# Altium PCB AD-FMComms3_revA.PcbDoc (part 5 of 5)
Units mil, origin at the board's own origin, x right, y up, seen from the top; angles counter-clockwise.
Board outline 3311.81 x 2716.54 mil, 10 copper layers (TOP, L2_GND, L3_PWR, L4_GND, L5_SIG, L6_SIG, L7_GND, L8_PWR, L9_GND, BOTTOM), stack 60.05 mil thick; 211 components, 138 nets, 808 pads, 812 vias.
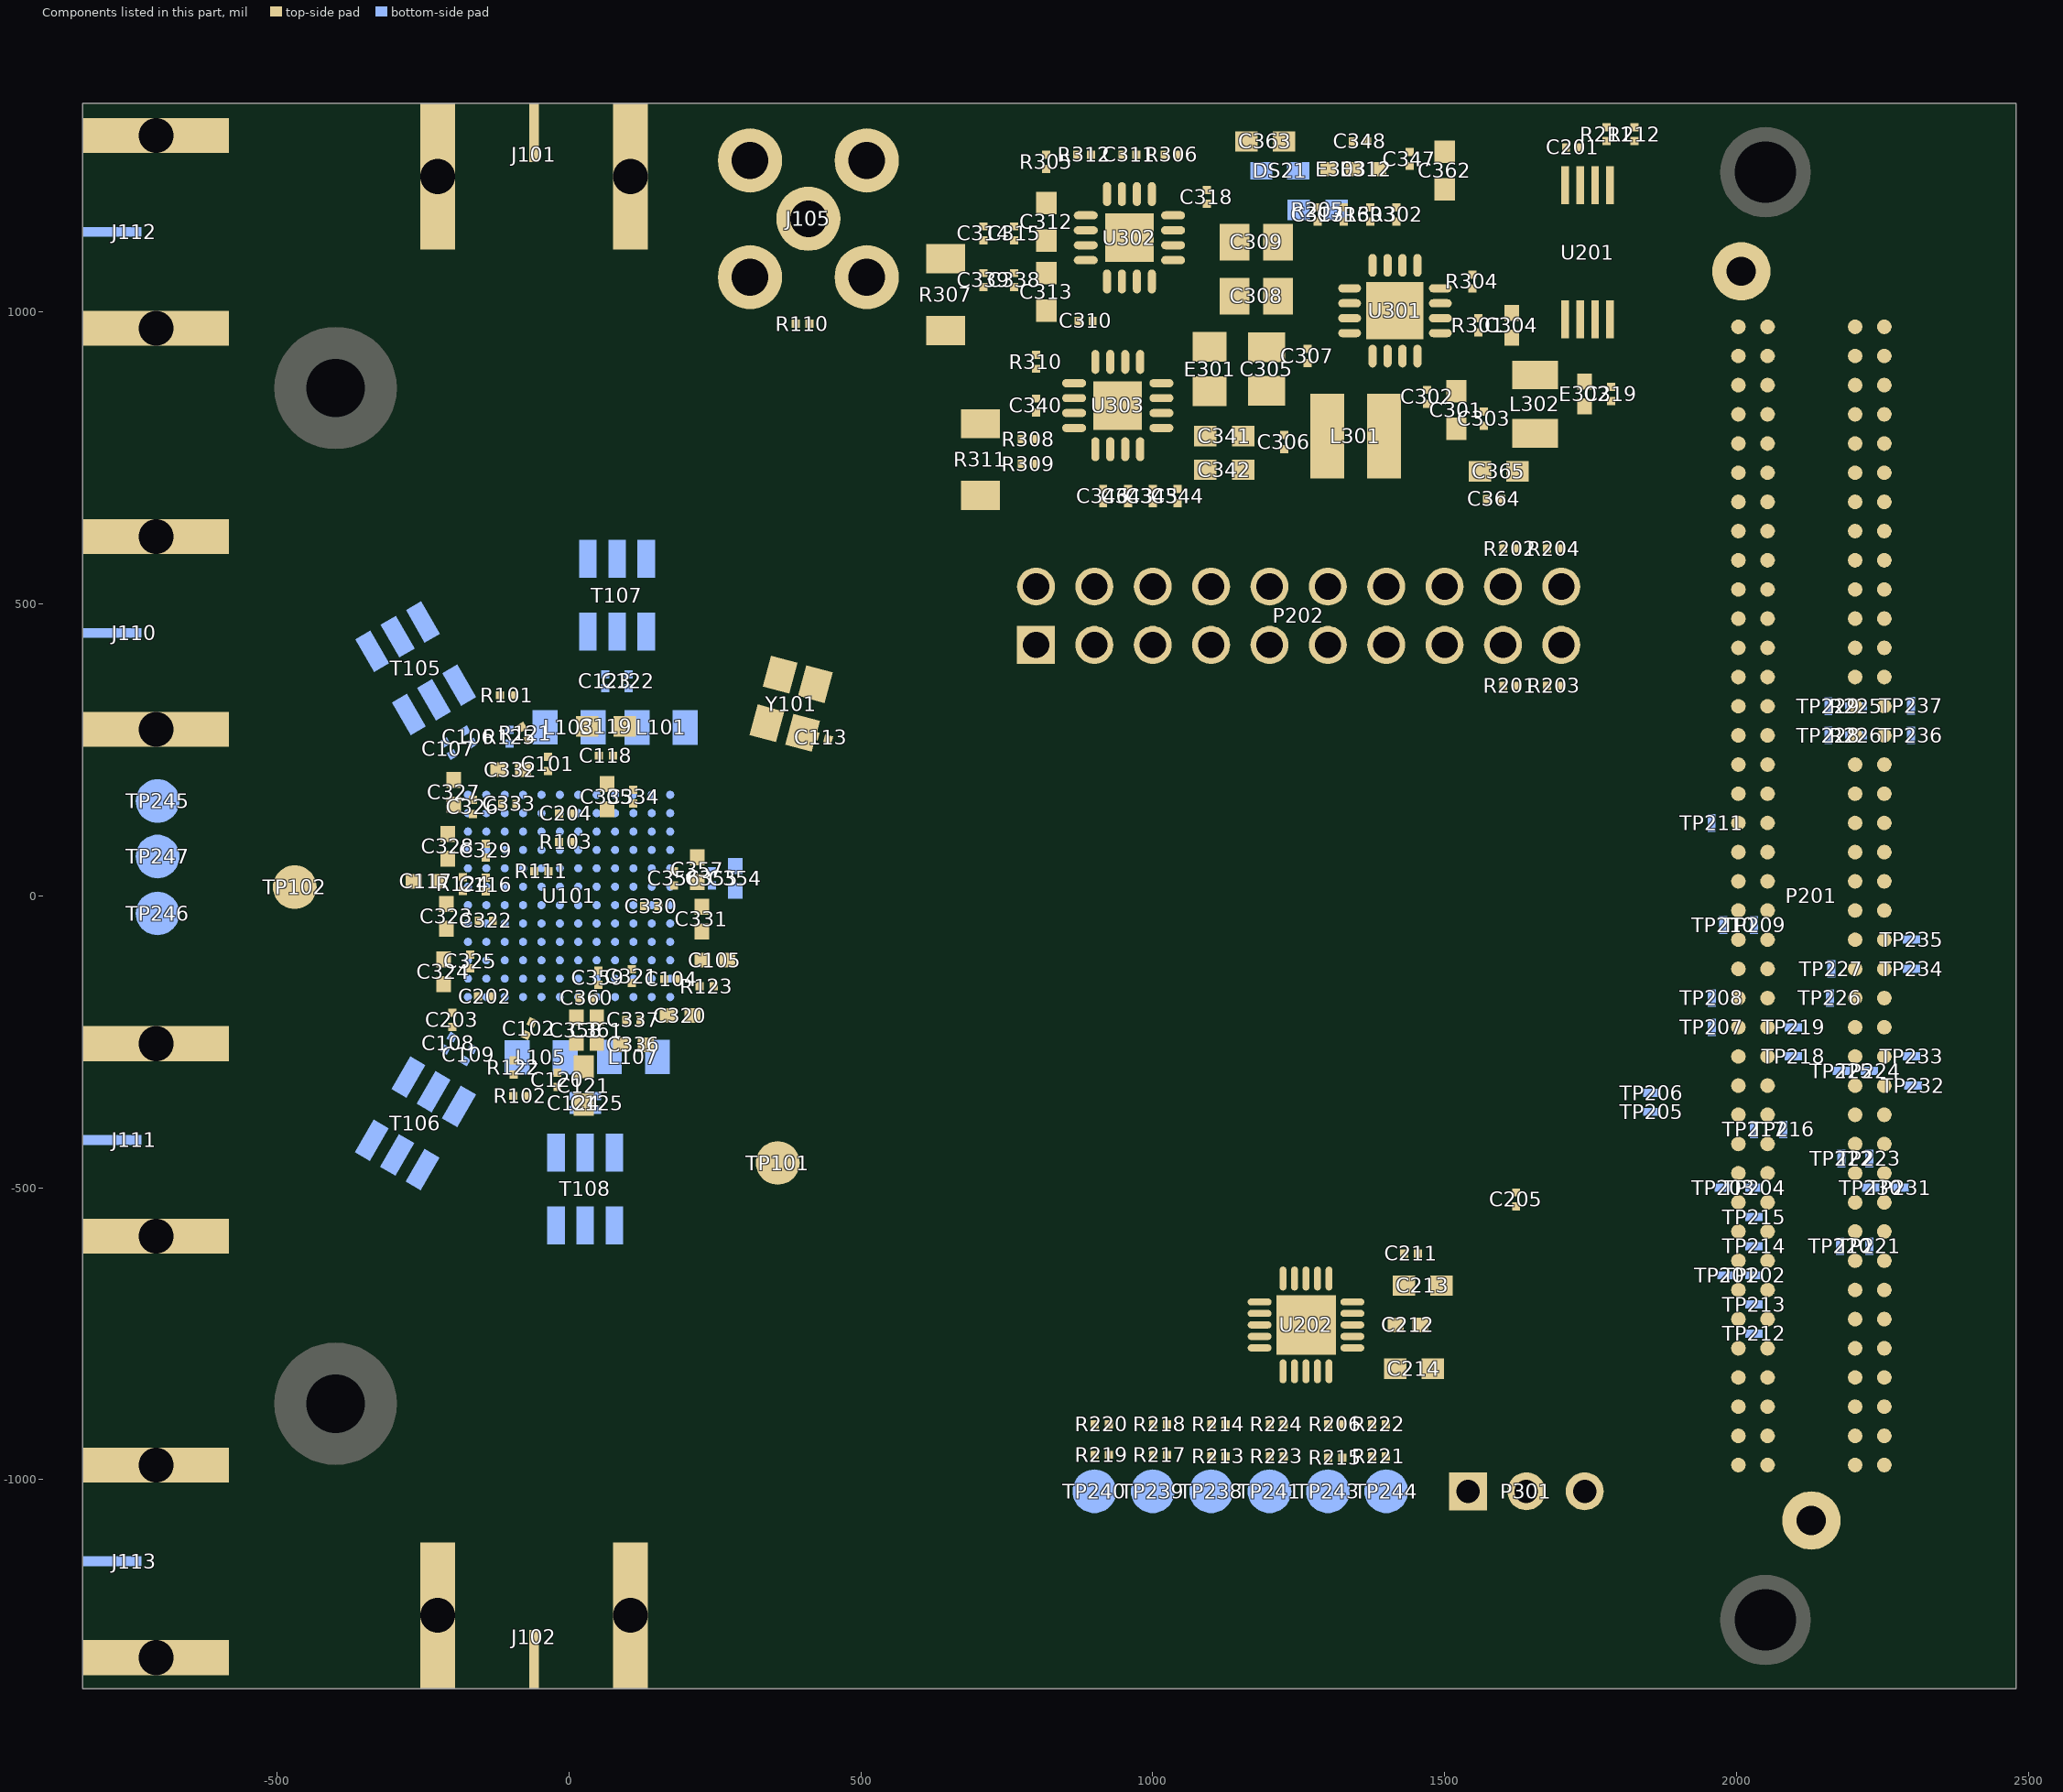
[diagram p13: the components of this part, seen from the top]

## Other copper (continued)
L7_GND:
  pour cut-out net GND_POWER: 2066.57,1070 2065.45,1081.37 2062.13,1092.31 2056.75,1102.39 2049.49,1111.22 2040.66,1118.48 2030.58,1123.86 2019.64,1127.18 2008.27,1128.3 1996.9,1127.18 1985.96,1123.86 1979.24,1120.27 1975.88,1118.48 1967.05,1111.22 1959.79,1102.39 1954.41,1092.31 1951.09,1081.37 1949.97,1070 1951.09,1058.63 1954.41,1047.69 1959.79,1037.61 1967.05,1028.78 1975.88,1021.52 1979.24,1019.73 1985.96,1016.14 1996.9,1012.82 2008.27,1011.7 2019.64,1012.82 2030.58,1016.14 2040.66,1021.52 2049.49,1028.78 2056.75,1037.61 2062.13,1047.69 2065.45,1058.63 2066.57,1070
  pour cut-out net GND_POWER: 2186.57,-1070 2185.45,-1058.63 2182.13,-1047.69 2176.75,-1037.61 2169.49,-1028.78 2160.66,-1021.52 2150.58,-1016.14 2139.64,-1012.82 2128.27,-1011.7 2116.9,-1012.82 2105.96,-1016.14 2099.24,-1019.73 2095.88,-1021.52 2087.05,-1028.78 2079.79,-1037.61 2074.41,-1047.69 2071.09,-1058.63 2069.97,-1070 2071.09,-1081.37 2074.41,-1092.31 2079.79,-1102.39 2087.05,-1111.22 2095.88,-1118.48 2099.24,-1120.27 2105.96,-1123.86 2116.9,-1127.18 2128.27,-1128.3 2139.64,-1127.18 2150.58,-1123.86 2160.66,-1118.48 2169.49,-1111.22 2176.75,-1102.39 2182.13,-1092.31 2185.45,-1081.37 2186.57,-1070
  pour cut-out net GND_POWER: 1780.87,-1020 1779.48,-1009.42 1775.39,-999.57 1768.9,-991.1 1760.43,-984.61 1750.58,-980.52 1740,-979.13 1729.42,-980.52 1719.57,-984.61 1711.1,-991.1 1704.61,-999.57 1700.52,-1009.42 1699.13,-1020 1700.52,-1030.58 1704.61,-1040.43 1711.1,-1048.9 1719.57,-1055.39 1729.42,-1059.48 1740,-1060.87 1750.58,-1059.48 1760.43,-1055.39 1768.9,-1048.9 1775.39,-1040.43 1779.48,-1030.58 1780.87,-1020
  pour cut-out net GND_POWER: 1640.87,530 1639.48,540.58 1635.39,550.43 1628.9,558.9 1620.43,565.39 1610.58,569.48 1600,570.87 1589.42,569.48 1579.57,565.39 1571.1,558.9 1564.61,550.43 1560.52,540.58 1559.13,530 1560.52,519.42 1564.61,509.57 1571.1,501.1 1579.57,494.61 1589.42,490.52 1600,489.13 1610.58,490.52 1620.43,494.61 1628.9,501.1 1635.39,509.57 1639.48,519.42 1640.87,530
  pour cut-out net GND_POWER: 1740.87,530 1739.48,540.58 1735.39,550.43 1728.9,558.9 1720.43,565.39 1710.58,569.48 1700,570.87 1689.42,569.48 1679.57,565.39 1671.1,558.9 1664.61,550.43 1660.52,540.58 1659.13,530 1660.52,519.42 1664.61,509.57 1671.1,501.1 1679.57,494.61 1689.42,490.52 1700,489.13 1710.58,490.52 1720.43,494.61 1728.9,501.1 1735.39,509.57 1739.48,519.42 1740.87,530
  pour cut-out net GND_POWER: 1640.87,430 1639.48,440.58 1635.39,450.43 1628.9,458.9 1620.43,465.39 1610.58,469.48 1600,470.87 1589.42,469.48 1579.57,465.39 1571.1,458.9 1564.61,450.43 1560.52,440.58 1559.13,430 1560.52,419.42 1564.61,409.57 1571.1,401.1 1579.57,394.61 1589.42,390.52 1600,389.13 1610.58,390.52 1620.43,394.61 1628.9,401.1 1635.39,409.57 1639.48,419.42 1640.87,430
  pour cut-out net GND_POWER: 1740.87,430 1739.48,440.58 1735.39,450.43 1728.9,458.9 1720.43,465.39 1710.58,469.48 1700,470.87 1689.42,469.48 1679.57,465.39 1671.1,458.9 1664.61,450.43 1660.52,440.58 1659.13,430 1660.52,419.42 1664.61,409.57 1671.1,401.1 1679.57,394.61 1689.42,390.52 1700,389.13 1710.58,390.52 1720.43,394.61 1728.9,401.1 1735.39,409.57 1739.48,419.42 1740.87,430
  pour cut-out net GND_POWER: 1580.87,-1020 1579.48,-1009.42 1575.39,-999.57 1568.9,-991.1 1560.43,-984.61 1550.58,-980.52 1540,-979.13 1529.42,-980.52 1519.57,-984.61 1511.1,-991.1 1504.61,-999.57 1500.52,-1009.42 1499.13,-1020 1500.52,-1030.58 1504.61,-1040.43 1511.1,-1048.9 1519.57,-1055.39 1529.42,-1059.48 1540,-1060.87 1550.58,-1059.48 1560.43,-1055.39 1568.9,-1048.9 1575.39,-1040.43 1579.48,-1030.58 1580.87,-1020
  pour cut-out net GND_POWER: 1680.87,-1020 1679.48,-1009.42 1675.39,-999.57 1668.9,-991.1 1660.43,-984.61 1650.58,-980.52 1640,-979.13 1629.42,-980.52 1619.57,-984.61 1611.1,-991.1 1604.61,-999.57 1600.52,-1009.42 1599.13,-1020 1600.52,-1030.58 1604.61,-1040.43 1611.1,-1048.9 1619.57,-1055.39 1629.42,-1059.48 1640,-1060.87 1650.58,-1059.48 1660.43,-1055.39 1668.9,-1048.9 1675.39,-1040.43 1679.48,-1030.58 1680.87,-1020
  pour cut-out net GND_POWER: 1340.87,530 1339.48,540.58 1335.39,550.43 1328.9,558.9 1320.43,565.39 1310.58,569.48 1300,570.87 1289.42,569.48 1279.57,565.39 1271.1,558.9 1264.61,550.43 1260.52,540.58 1259.13,530 1260.52,519.42 1264.61,509.57 1271.1,501.1 1279.57,494.61 1289.42,490.52 1300,489.13 1310.58,490.52 1320.43,494.61 1328.9,501.1 1335.39,509.57 1339.48,519.42 1340.87,530
  pour cut-out net GND_POWER: 1440.87,530 1439.48,540.58 1435.39,550.43 1428.9,558.9 1420.43,565.39 1410.58,569.48 1400,570.87 1389.42,569.48 1379.57,565.39 1371.1,558.9 1364.61,550.43 1360.52,540.58 1359.13,530 1360.52,519.42 1364.61,509.57 1371.1,501.1 1379.57,494.61 1389.42,490.52 1400,489.13 1410.58,490.52 1420.43,494.61 1428.9,501.1 1435.39,509.57 1439.48,519.42 1440.87,530
  pour cut-out net GND_POWER: 1540.87,530 1539.48,540.58 1535.39,550.43 1528.9,558.9 1520.43,565.39 1510.58,569.48 1500,570.87 1489.42,569.48 1479.57,565.39 1471.1,558.9 1464.61,550.43 1460.52,540.58 1459.13,530 1460.52,519.42 1464.61,509.57 1471.1,501.1 1479.57,494.61 1489.42,490.52 1500,489.13 1510.58,490.52 1520.43,494.61 1528.9,501.1 1535.39,509.57 1539.48,519.42 1540.87,530
  pour cut-out net GND_POWER: 1340.87,430 1339.48,440.58 1335.39,450.43 1328.9,458.9 1320.43,465.39 1310.58,469.48 1300,470.87 1289.42,469.48 1279.57,465.39 1271.1,458.9 1264.61,450.43 1260.52,440.58 1259.13,430 1260.52,419.42 1264.61,409.57 1271.1,401.1 1279.57,394.61 1289.42,390.52 1300,389.13 1310.58,390.52 1320.43,394.61 1328.9,401.1 1335.39,409.57 1339.48,419.42 1340.87,430
  pour cut-out net GND_POWER: 1440.87,430 1439.48,440.58 1435.39,450.43 1428.9,458.9 1420.43,465.39 1410.58,469.48 1400,470.87 1389.42,469.48 1379.57,465.39 1371.1,458.9 1364.61,450.43 1360.52,440.58 1359.13,430 1360.52,419.42 1364.61,409.57 1371.1,401.1 1379.57,394.61 1389.42,390.52 1400,389.13 1410.58,390.52 1420.43,394.61 1428.9,401.1 1435.39,409.57 1439.48,419.42 1440.87,430
  pour cut-out net GND_POWER: 1540.87,430 1539.48,440.58 1535.39,450.43 1528.9,458.9 1520.43,465.39 1510.58,469.48 1500,470.87 1489.42,469.48 1479.57,465.39 1471.1,458.9 1464.61,450.43 1460.52,440.58 1459.13,430 1460.52,419.42 1464.61,409.57 1471.1,401.1 1479.57,394.61 1489.42,390.52 1500,389.13 1510.58,390.52 1520.43,394.61 1528.9,401.1 1535.39,409.57 1539.48,419.42 1540.87,430
  pour cut-out net GND_POWER: 1140.87,530 1139.48,540.58 1135.39,550.43 1128.9,558.9 1120.43,565.39 1110.58,569.48 1100,570.87 1089.42,569.48 1079.57,565.39 1071.1,558.9 1064.61,550.43 1060.52,540.58 1059.13,530 1060.52,519.42 1064.61,509.57 1071.1,501.1 1079.57,494.61 1089.42,490.52 1100,489.13 1110.58,490.52 1120.43,494.61 1128.9,501.1 1135.39,509.57 1139.48,519.42 1140.87,530
  pour cut-out net GND_POWER: 1240.87,530 1239.48,540.58 1235.39,550.43 1228.9,558.9 1220.43,565.39 1210.58,569.48 1200,570.87 1189.42,569.48 1179.57,565.39 1171.1,558.9 1164.61,550.43 1160.52,540.58 1159.13,530 1160.52,519.42 1164.61,509.57 1171.1,501.1 1179.57,494.61 1189.42,490.52 1200,489.13 1210.58,490.52 1220.43,494.61 1228.9,501.1 1235.39,509.57 1239.48,519.42 1240.87,530
  pour cut-out net GND_POWER: 1140.87,430 1139.48,440.58 1135.39,450.43 1128.9,458.9 1120.43,465.39 1110.58,469.48 1100,470.87 1089.42,469.48 1079.57,465.39 1071.1,458.9 1064.61,450.43 1060.52,440.58 1059.13,430 1060.52,419.42 1064.61,409.57 1071.1,401.1 1079.57,394.61 1089.42,390.52 1100,389.13 1110.58,390.52 1120.43,394.61 1128.9,401.1 1135.39,409.57 1139.48,419.42 1140.87,430
  pour cut-out net GND_POWER: 1240.87,430 1239.48,440.58 1235.39,450.43 1228.9,458.9 1220.43,465.39 1210.58,469.48 1200,470.87 1189.42,469.48 1179.57,465.39 1171.1,458.9 1164.61,450.43 1160.52,440.58 1159.13,430 1160.52,419.42 1164.61,409.57 1171.1,401.1 1179.57,394.61 1189.42,390.52 1200,389.13 1210.58,390.52 1220.43,394.61 1228.9,401.1 1235.39,409.57 1239.48,419.42 1240.87,430
  pour cut-out net GND_POWER: 940.87,530 939.48,540.58 935.39,550.43 928.9,558.9 920.43,565.39 910.58,569.48 900,570.87 889.42,569.48 879.57,565.39 871.1,558.9 864.61,550.43 860.52,540.58 859.13,530 860.52,519.42 864.61,509.57 871.1,501.1 879.57,494.61 889.42,490.52 900,489.13 910.58,490.52 920.43,494.61 928.9,501.1 935.39,509.57 939.48,519.42 940.87,530
  pour cut-out net GND_POWER: 1040.87,530 1039.48,540.58 1035.39,550.43 1028.9,558.9 1020.43,565.39 1010.58,569.48 1000,570.87 989.42,569.48 979.57,565.39 971.1,558.9 964.61,550.43 960.52,540.58 959.13,530 960.52,519.42 964.61,509.57 971.1,501.1 979.57,494.61 989.42,490.52 1000,489.13 1010.58,490.52 1020.43,494.61 1028.9,501.1 1035.39,509.57 1039.48,519.42 1040.87,530
  pour cut-out net GND_POWER: 940.87,430 939.48,440.58 935.39,450.43 928.9,458.9 920.43,465.39 910.58,469.48 900,470.87 889.42,469.48 879.57,465.39 871.1,458.9 864.61,450.43 860.52,440.58 859.13,430 860.52,419.42 864.61,409.57 871.1,401.1 879.57,394.61 889.42,390.52 900,389.13 910.58,390.52 920.43,394.61 928.9,401.1 935.39,409.57 939.48,419.42 940.87,430
  pour cut-out net GND_POWER: 1040.87,430 1039.48,440.58 1035.39,450.43 1028.9,458.9 1020.43,465.39 1010.58,469.48 1000,470.87 989.42,469.48 979.57,465.39 971.1,458.9 964.61,450.43 960.52,440.58 959.13,430 960.52,419.42 964.61,409.57 971.1,401.1 979.57,394.61 989.42,390.52 1000,389.13 1010.58,390.52 1020.43,394.61 1028.9,401.1 1035.39,409.57 1039.48,419.42 1040.87,430
  pour cut-out net GND_POWER: 840.87,530 839.48,540.58 835.39,550.43 828.9,558.9 820.43,565.39 810.58,569.48 800,570.87 789.42,569.48 779.57,565.39 771.1,558.9 764.61,550.43 760.52,540.58 759.13,530 760.52,519.42 764.61,509.57 771.1,501.1 779.57,494.61 789.42,490.52 800,489.13 810.58,490.52 820.43,494.61 828.9,501.1 835.39,509.57 839.48,519.42 840.87,530
  pour cut-out net GND_POWER: 840.87,430 839.48,440.58 835.39,450.43 828.9,458.9 820.43,465.39 810.58,469.48 800,470.87 789.42,469.48 779.57,465.39 771.1,458.9 764.61,450.43 760.52,440.58 759.13,430 760.52,419.42 764.61,409.57 771.1,401.1 779.57,394.61 789.42,390.52 800,389.13 810.58,390.52 820.43,394.61 828.9,401.1 835.39,409.57 839.48,419.42 840.87,430
  region net GND_POWER: 737 vertices and 0 holes, not listed, extent -833.07,-1357.5 2452.5,1357.5
  text "7" at 2422.03,1034.48 h31 r270
L8_PWR:
  pour cut-out net VDDA_GPO: 1640.87,530 1639.48,540.58 1635.39,550.43 1628.9,558.9 1620.43,565.39 1610.58,569.48 1600,570.87 1589.42,569.48 1579.57,565.39 1571.1,558.9 1564.61,550.43 1560.52,540.58 1559.13,530 1560.52,519.42 1564.61,509.57 1571.1,501.1 1579.57,494.61 1589.42,490.52 1600,489.13 1610.58,490.52 1620.43,494.61 1628.9,501.1 1635.39,509.57 1639.48,519.42 1640.87,530
  pour cut-out net VDDA_GPO: 1740.87,530 1739.48,540.58 1735.39,550.43 1728.9,558.9 1720.43,565.39 1710.58,569.48 1700,570.87 1689.42,569.48 1679.57,565.39 1671.1,558.9 1664.61,550.43 1660.52,540.58 1659.13,530 1660.52,519.42 1664.61,509.57 1671.1,501.1 1679.57,494.61 1689.42,490.52 1700,489.13 1710.58,490.52 1720.43,494.61 1728.9,501.1 1735.39,509.57 1739.48,519.42 1740.87,530
  pour cut-out net VDDA_GPO: 1340.87,530 1339.48,540.58 1335.39,550.43 1328.9,558.9 1320.43,565.39 1310.58,569.48 1300,570.87 1289.42,569.48 1279.57,565.39 1271.1,558.9 1264.61,550.43 1260.52,540.58 1259.13,530 1260.52,519.42 1264.61,509.57 1271.1,501.1 1279.57,494.61 1289.42,490.52 1300,489.13 1310.58,490.52 1320.43,494.61 1328.9,501.1 1335.39,509.57 1339.48,519.42 1340.87,530
  pour cut-out net VDDA_GPO: 1440.87,530 1439.48,540.58 1435.39,550.43 1428.9,558.9 1420.43,565.39 1410.58,569.48 1400,570.87 1389.42,569.48 1379.57,565.39 1371.1,558.9 1364.61,550.43 1360.52,540.58 1359.13,530 1360.52,519.42 1364.61,509.57 1371.1,501.1 1379.57,494.61 1389.42,490.52 1400,489.13 1410.58,490.52 1420.43,494.61 1428.9,501.1 1435.39,509.57 1439.48,519.42 1440.87,530
  pour cut-out net VDDA_GPO: 1540.87,530 1539.48,540.58 1535.39,550.43 1528.9,558.9 1520.43,565.39 1510.58,569.48 1500,570.87 1489.42,569.48 1479.57,565.39 1471.1,558.9 1464.61,550.43 1460.52,540.58 1459.13,530 1460.52,519.42 1464.61,509.57 1471.1,501.1 1479.57,494.61 1489.42,490.52 1500,489.13 1510.58,490.52 1520.43,494.61 1528.9,501.1 1535.39,509.57 1539.48,519.42 1540.87,530
  pour cut-out net VDDA_GPO: 1340.87,430 1339.48,440.58 1335.39,450.43 1328.9,458.9 1320.43,465.39 1310.58,469.48 1300,470.87 1289.42,469.48 1279.57,465.39 1271.1,458.9 1264.61,450.43 1260.52,440.58 1259.13,430 1260.52,419.42 1264.61,409.57 1271.1,401.1 1279.57,394.61 1289.42,390.52 1300,389.13 1310.58,390.52 1320.43,394.61 1328.9,401.1 1335.39,409.57 1339.48,419.42 1340.87,430
  pour cut-out net VDDA_GPO: 1440.87,430 1439.48,440.58 1435.39,450.43 1428.9,458.9 1420.43,465.39 1410.58,469.48 1400,470.87 1389.42,469.48 1379.57,465.39 1371.1,458.9 1364.61,450.43 1360.52,440.58 1359.13,430 1360.52,419.42 1364.61,409.57 1371.1,401.1 1379.57,394.61 1389.42,390.52 1400,389.13 1410.58,390.52 1420.43,394.61 1428.9,401.1 1435.39,409.57 1439.48,419.42 1440.87,430
  pour cut-out net VDDA_GPO: 1540.87,430 1539.48,440.58 1535.39,450.43 1528.9,458.9 1520.43,465.39 1510.58,469.48 1500,470.87 1489.42,469.48 1479.57,465.39 1471.1,458.9 1464.61,450.43 1460.52,440.58 1459.13,430 1460.52,419.42 1464.61,409.57 1471.1,401.1 1479.57,394.61 1489.42,390.52 1500,389.13 1510.58,390.52 1520.43,394.61 1528.9,401.1 1535.39,409.57 1539.48,419.42 1540.87,430
  pour cut-out net VDDA_GPO: 1140.87,530 1139.48,540.58 1135.39,550.43 1128.9,558.9 1120.43,565.39 1110.58,569.48 1100,570.87 1089.42,569.48 1079.57,565.39 1071.1,558.9 1064.61,550.43 1060.52,540.58 1059.13,530 1060.52,519.42 1064.61,509.57 1071.1,501.1 1079.57,494.61 1089.42,490.52 1100,489.13 1110.58,490.52 1120.43,494.61 1128.9,501.1 1135.39,509.57 1139.48,519.42 1140.87,530
  pour cut-out net VDDA_GPO: 1240.87,530 1239.48,540.58 1235.39,550.43 1228.9,558.9 1220.43,565.39 1210.58,569.48 1200,570.87 1189.42,569.48 1179.57,565.39 1171.1,558.9 1164.61,550.43 1160.52,540.58 1159.13,530 1160.52,519.42 1164.61,509.57 1171.1,501.1 1179.57,494.61 1189.42,490.52 1200,489.13 1210.58,490.52 1220.43,494.61 1228.9,501.1 1235.39,509.57 1239.48,519.42 1240.87,530
  pour cut-out net VDDA_GPO: 1140.87,430 1139.48,440.58 1135.39,450.43 1128.9,458.9 1120.43,465.39 1110.58,469.48 1100,470.87 1089.42,469.48 1079.57,465.39 1071.1,458.9 1064.61,450.43 1060.52,440.58 1059.13,430 1060.52,419.42 1064.61,409.57 1071.1,401.1 1079.57,394.61 1089.42,390.52 1100,389.13 1110.58,390.52 1120.43,394.61 1128.9,401.1 1135.39,409.57 1139.48,419.42 1140.87,430
  pour cut-out net VDDA_GPO: 1240.87,430 1239.48,440.58 1235.39,450.43 1228.9,458.9 1220.43,465.39 1210.58,469.48 1200,470.87 1189.42,469.48 1179.57,465.39 1171.1,458.9 1164.61,450.43 1160.52,440.58 1159.13,430 1160.52,419.42 1164.61,409.57 1171.1,401.1 1179.57,394.61 1189.42,390.52 1200,389.13 1210.58,390.52 1220.43,394.61 1228.9,401.1 1235.39,409.57 1239.48,419.42 1240.87,430
  pour cut-out net VDDA_GPO: 940.87,530 939.48,540.58 935.39,550.43 928.9,558.9 920.43,565.39 910.58,569.48 900,570.87 889.42,569.48 879.57,565.39 871.1,558.9 864.61,550.43 860.52,540.58 859.13,530 860.52,519.42 864.61,509.57 871.1,501.1 879.57,494.61 889.42,490.52 900,489.13 910.58,490.52 920.43,494.61 928.9,501.1 935.39,509.57 939.48,519.42 940.87,530
  pour cut-out net VDDA_GPO: 1040.87,530 1039.48,540.58 1035.39,550.43 1028.9,558.9 1020.43,565.39 1010.58,569.48 1000,570.87 989.42,569.48 979.57,565.39 971.1,558.9 964.61,550.43 960.52,540.58 959.13,530 960.52,519.42 964.61,509.57 971.1,501.1 979.57,494.61 989.42,490.52 1000,489.13 1010.58,490.52 1020.43,494.61 1028.9,501.1 1035.39,509.57 1039.48,519.42 1040.87,530
  pour cut-out net VDDA_GPO: 940.87,430 939.48,440.58 935.39,450.43 928.9,458.9 920.43,465.39 910.58,469.48 900,470.87 889.42,469.48 879.57,465.39 871.1,458.9 864.61,450.43 860.52,440.58 859.13,430 860.52,419.42 864.61,409.57 871.1,401.1 879.57,394.61 889.42,390.52 900,389.13 910.58,390.52 920.43,394.61 928.9,401.1 935.39,409.57 939.48,419.42 940.87,430
  pour cut-out net VDDA_GPO: 1040.87,430 1039.48,440.58 1035.39,450.43 1028.9,458.9 1020.43,465.39 1010.58,469.48 1000,470.87 989.42,469.48 979.57,465.39 971.1,458.9 964.61,450.43 960.52,440.58 959.13,430 960.52,419.42 964.61,409.57 971.1,401.1 979.57,394.61 989.42,390.52 1000,389.13 1010.58,390.52 1020.43,394.61 1028.9,401.1 1035.39,409.57 1039.48,419.42 1040.87,430
  pour cut-out net VDDA_GPO: 840.87,530 839.48,540.58 835.39,550.43 828.9,558.9 820.43,565.39 810.58,569.48 800,570.87 789.42,569.48 779.57,565.39 771.1,558.9 764.61,550.43 760.52,540.58 759.13,530 760.52,519.42 764.61,509.57 771.1,501.1 779.57,494.61 789.42,490.52 800,489.13 810.58,490.52 820.43,494.61 828.9,501.1 835.39,509.57 839.48,519.42 840.87,530
  pour cut-out net VDDA_GPO: 840.87,430 839.48,440.58 835.39,450.43 828.9,458.9 820.43,465.39 810.58,469.48 800,470.87 789.42,469.48 779.57,465.39 771.1,458.9 764.61,450.43 760.52,440.58 759.13,430 760.52,419.42 764.61,409.57 771.1,401.1 779.57,394.61 789.42,390.52 800,389.13 810.58,390.52 820.43,394.61 828.9,401.1 835.39,409.57 839.48,419.42 840.87,430
  region net GND_POWER: 336 vertices and 0 holes, not listed, extent 1063.32,11.02 2229.98,724.98
  pour cut-out net 12V: 1780.87,-1020 1779.48,-1009.42 1775.39,-999.57 1768.9,-991.1 1760.43,-984.61 1750.58,-980.52 1740,-979.13 1729.42,-980.52 1719.57,-984.61 1711.1,-991.1 1704.61,-999.57 1700.52,-1009.42 1699.13,-1020 1700.52,-1030.58 1704.61,-1040.43 1711.1,-1048.9 1719.57,-1055.39 1729.42,-1059.48 1740,-1060.87 1750.58,-1059.48 1760.43,-1055.39 1768.9,-1048.9 1775.39,-1040.43 1779.48,-1030.58 1780.87,-1020
  pour cut-out: -746.37,-1333.25 -807,-1333 -808.05,-1331.95 -808.05,-1331.92 -809.98,-1329.99 -809.98,-1269.63 -809.93,-1269.28 -809.85,-1268.94 -809.74,-1268.61 -809.6,-1268.29 -809.44,-1267.98 -809.25,-1267.69 -809.03,-1267.42 -808.79,-1267.16 -808.53,-1266.93 -808.25,-1266.72 -807.95,-1266.54 -807.64,-1266.38 -807.32,-1266.25 -806.98,-1266.15 -806.64,-1266.08 -806.3,-1266.04 -805.95,-1266.03 -805.6,-1266.05 -805.25,-1266.1 -804.91,-1266.18 -804.58,-1266.29 -804.26,-1266.43 -803.95,-1266.59 -803.66,-1266.78 -803.39,-1267 -803.17,-1267.2 -743.94,-1326.44 -743.7,-1326.7 -743.49,-1326.97 -743.3,-1327.27 -743.14,-1327.58 -743.01,-1327.9 -742.9,-1328.23 -742.83,-1328.57 -742.78,-1328.92 -742.77,-1329.27 -742.78,-1329.62 -742.83,-1329.96 -742.9,-1330.3 -743.01,-1330.63 -743.14,-1330.96 -743.3,-1331.27 -743.49,-1331.56 -743.7,-1331.84 -743.93,-1332.1 -744.19,-1332.33 -744.47,-1332.54 -744.76,-1332.73 -745.07,-1332.89 -745.39,-1333.03 -745.73,-1333.13 -746.07,-1333.21 -746.37,-1333.25

## Text inside footprints (layer, text, board x,y; h text height)
C310: PIN_NUMBER "2" at 863,985 h25 r180; PIN_NUMBER "1" at 887,985 h25 r180; PAD_STACK_NAME "14X14" at 777.4,1109 h50 r180; PAD_STACK_NAME "C0201" at 774,888 h50 r180; DISPLAY_TOP "QA/XXX" at 665.6,985 h31 r270; DISPLAY_TOP "14JAN09" at 913.2,985 h31 r270; DISPLAY_TOP "10XXX09" at 613.2,985 h31 r270; DISPLAY_TOP "ADI/DML" at 958.2,985 h31 r270; ASSEMBLY_TOP "UPN" at 790,985 h25 r270; ASSEMBLY_TOP "10" at 830,985 h25 r270; ASSEMBLY_TOP "0.1uF" at 845.2,985 h25 r270
C311: PIN_NUMBER "2" at 962,1270 h25; PIN_NUMBER "1" at 938,1270 h25; PAD_STACK_NAME "14X14" at 867.6,1146 h50; PAD_STACK_NAME "C0201" at 871,1367 h50; DISPLAY_TOP "QA/XXX" at 1030.6,1270 h31 r90; DISPLAY_TOP "14JAN09" at 758.2,1270 h31 r90; DISPLAY_TOP "10XXX09" at 1058.2,1270 h31 r90; DISPLAY_TOP "ADI/DML" at 713.2,1270 h31 r90; ASSEMBLY_TOP "UPN" at 995,1270 h25 r90; ASSEMBLY_TOP "10" at 975,1270 h25 r90; ASSEMBLY_TOP "0.01UF" at 889.8,1270 h25 r90
C312: PIN_NUMBER "2" at 807.5,1187.24 h25 r90; PIN_NUMBER "1" at 807.5,1122.76 h25 r90; PAD_STACK_NAME "C0603a" at 602.5,1150 h50 r90; PAD_STACK_NAME "38.5x35x26" at 847.49,1155 h25 r90; ASSEMBLY_TOP "10UF" at 788.5,1157 h25 r90; ASSEMBLY_TOP "20" at 797.5,1085 h25 r180; ASSEMBLY_TOP "UPN" at 788.5,1279 h25 r180
C313: PIN_NUMBER "2" at 807.5,1002.75 h25 r270; PIN_NUMBER "1" at 807.5,1067.25 h25 r270; PAD_STACK_NAME "C0603a" at 792.5,1040 h50 r270; PAD_STACK_NAME "38.5x35x26" at 587.5,1035 h25 r270; ASSEMBLY_TOP "10UF" at 766.5,1033 h25 r270; ASSEMBLY_TOP "20" at 797.5,1105 h25; ASSEMBLY_TOP "UPN" at 786.5,911 h25
C314: PIN_NUMBER "2" at 700,1147 h25 r90; PIN_NUMBER "1" at 700,1123 h25 r90; PAD_STACK_NAME "14X14" at 734,1142.6 h50 r90; PAD_STACK_NAME "C0201" at 513.01,1146 h50 r90; DISPLAY_TOP "QA/XXX" at 635.6,1280 h31 r180; DISPLAY_TOP "14JAN09" at 623.2,1020 h31 r180; DISPLAY_TOP "10XXX09" at 623.2,1320 h31 r180; DISPLAY_TOP "ADI/DML" at 623.2,975 h31 r180; ASSEMBLY_TOP "UPN" at 680,1200 h25 r180; ASSEMBLY_TOP "10" at 690,1170 h25 r180; ASSEMBLY_TOP "0.1uF" at 660.01,1124.8 h25 r180
C315: PIN_NUMBER "2" at 752.5,1147 h25 r90; PIN_NUMBER "1" at 752.5,1123 h25 r90; PAD_STACK_NAME "14X14" at 786.5,1142.6 h50 r90; PAD_STACK_NAME "C0201" at 565.5,1145.99 h50 r90; DISPLAY_TOP "QA/XXX" at 688.1,1280 h31 r180; DISPLAY_TOP "14JAN09" at 675.7,1020 h31 r180; DISPLAY_TOP "10XXX09" at 675.7,1320 h31 r180; DISPLAY_TOP "ADI/DML" at 675.7,975 h31 r180; ASSEMBLY_TOP "UPN" at 732.5,1200 h25 r180; ASSEMBLY_TOP "10" at 742.5,1169.99 h25 r180; ASSEMBLY_TOP "0.1uF" at 712.5,1124.79 h25 r180
C316: PIN_NUMBER "2" at 1317.5,1155.5 h25 r270; PIN_NUMBER "1" at 1317.5,1179.5 h25 r270; PAD_STACK_NAME "14X14" at 1103.5,1159.9 h50 r270; PAD_STACK_NAME "C0201" at 1324.5,1156.5 h50 r270; DISPLAY_TOP "QA/XXX" at 1253.1,1022.5 h31; DISPLAY_TOP "14JAN09" at 1240.7,1282.5 h31; DISPLAY_TOP "10XXX09" at 1240.7,982.5 h31; DISPLAY_TOP "ADI/DML" at 1240.7,1327.5 h31; ASSEMBLY_TOP "UPN" at 1297.5,1102.5 h25; ASSEMBLY_TOP "10" at 1307.5,1132.5 h25; ASSEMBLY_TOP "0.1uF" at 1277.5,1177.7 h25
C317: PIN_NUMBER "2" at 1272.5,1155.5 h25 r270; PIN_NUMBER "1" at 1272.5,1179.5 h25 r270; PAD_STACK_NAME "14X14" at 1058.5,1159.9 h50 r270; PAD_STACK_NAME "C0201" at 1279.5,1156.5 h50 r270; DISPLAY_TOP "QA/XXX" at 1208.1,1022.5 h31; DISPLAY_TOP "14JAN09" at 1195.7,1282.5 h31; DISPLAY_TOP "10XXX09" at 1195.7,982.5 h31; DISPLAY_TOP "ADI/DML" at 1195.7,1327.5 h31; ASSEMBLY_TOP "UPN" at 1252.5,1102.5 h25; ASSEMBLY_TOP "10" at 1262.5,1132.5 h25; ASSEMBLY_TOP "0.1uF" at 1232.5,1177.7 h25
C318: PIN_NUMBER "2" at 1082.5,1209.5 h25 r90; PIN_NUMBER "1" at 1082.5,1185.5 h25 r90; PAD_STACK_NAME "14X14" at 1116.5,1205.1 h50 r90; PAD_STACK_NAME "C0201" at 895.5,1208.5 h50 r90; DISPLAY_TOP "QA/XXX" at 1018.1,1342.5 h31 r180; DISPLAY_TOP "14JAN09" at 1005.7,1082.5 h31 r180; DISPLAY_TOP "10XXX09" at 1005.7,1382.5 h31 r180; DISPLAY_TOP "ADI/DML" at 1005.7,1037.5 h31 r180; ASSEMBLY_TOP "UPN" at 1062.5,1262.5 h25 r180; ASSEMBLY_TOP "10" at 1072.5,1232.5 h25 r180; ASSEMBLY_TOP "0.1uF" at 1042.5,1187.3 h25 r180
C319: PIN_NUMBER "2" at 1775,872.01 h25 r90; PIN_NUMBER "1" at 1775,848.01 h25 r90; PAD_STACK_NAME "14X14" at 1809.01,867.6 h50 r90; PAD_STACK_NAME "C0201" at 1588,871 h50 r90; DISPLAY_TOP "QA/XXX" at 1710.6,1005 h31 r180; DISPLAY_TOP "14JAN09" at 1698.2,745 h31 r180; DISPLAY_TOP "10XXX09" at 1698.2,1045.01 h31 r180; DISPLAY_TOP "ADI/DML" at 1698.2,700 h31 r180; ASSEMBLY_TOP "UPN" at 1755,925 h25 r180; ASSEMBLY_TOP "10" at 1765,895 h25 r180; ASSEMBLY_TOP "0.1uF" at 1735,849.8 h25 r180
C320: PIN_NUMBER "2" at 201.26,-205 h25; PIN_NUMBER "1" at 158.74,-205 h25; PAD_STACK_NAME "C0402" at 85,-110 h50; PAD_STACK_NAME "27.5x25x15" at 66,-334.99 h31; ASSEMBLY_TOP "1uF" at 164.33,-219.17 h25; ASSEMBLY_TOP "10" at 174.72,-258.94 h25; ASSEMBLY_TOP "UPN" at 160.79,-273.5 h25
C321: PIN_NUMBER "2" at 97.5,-125.49 h25 r90; PIN_NUMBER "1" at 97.49,-149.5 h25 r90; PAD_STACK_NAME "14X14" at 131.49,-129.89 h50 r90; PAD_STACK_NAME "C0201" at -89.51,-126.5 h50 r90; DISPLAY_TOP "QA/XXX" at 33.1,7.5 h31 r180; DISPLAY_TOP "14JAN09" at 20.7,-252.5 h31 r180; DISPLAY_TOP "10XXX09" at 20.69,47.5 h31 r180; DISPLAY_TOP "ADI/DML" at 20.69,-297.5 h31 r180; ASSEMBLY_TOP "UPN" at 77.5,-72.5 h25 r180; ASSEMBLY_TOP "10" at 87.5,-102.5 h25 r180; ASSEMBLY_TOP "0.01UF" at 47.5,-147.7 h25 r180
C322: PIN_NUMBER "2" at -140.5,-42.51 h25; PIN_NUMBER "1" at -164.51,-42.5 h25; PAD_STACK_NAME "14X14" at -234.9,-166.51 h50; PAD_STACK_NAME "C0201" at -231.5,54.5 h50; DISPLAY_TOP "QA/XXX" at -71.9,-42.5 h31 r90; DISPLAY_TOP "14JAN09" at -344.31,-42.5 h31 r90; DISPLAY_TOP "10XXX09" at -44.31,-42.5 h31 r90; DISPLAY_TOP "ADI/DML" at -389.31,-42.5 h31 r90; ASSEMBLY_TOP "UPN" at -107.51,-42.5 h25 r90; ASSEMBLY_TOP "10" at -127.5,-42.5 h25 r90; ASSEMBLY_TOP "0.01UF" at -212.7,-42.5 h25 r90
C323: PIN_NUMBER "2" at -220,-13.74 h25 r90; PIN_NUMBER "1" at -220,-56.26 h25 r90; PAD_STACK_NAME "C0402" at -405,-40 h50 r90; PAD_STACK_NAME "27.5x25x15" at -204.01,-35 h31 r90; ASSEMBLY_TOP "1uF" at -225.83,-30.67 h25 r90; ASSEMBLY_TOP "10" at -176.06,-30.28 h25 r90; ASSEMBLY_TOP "UPN" at -171.5,-34.21 h25 r90
C324: PIN_NUMBER "2" at -225,-151.25 h25 r270; PIN_NUMBER "1" at -225,-108.75 h25 r270; PAD_STACK_NAME "C0402" at -220,-125 h50 r270; PAD_STACK_NAME "27.5x25x15" at -469,-130 h31 r270; ASSEMBLY_TOP "1uF" at -259.17,-134.33 h25 r270; ASSEMBLY_TOP "10" at -288.94,-134.72 h25 r270; ASSEMBLY_TOP "UPN" at -313.5,-130.79 h25 r270
C325: PIN_NUMBER "2" at -179.25,-124.25 h25 r270; PIN_NUMBER "1" at -179.25,-100.25 h25 r270; PAD_STACK_NAME "14X14" at -393.25,-119.84 h50 r270; PAD_STACK_NAME "C0201" at -172.25,-123.25 h50 r270; DISPLAY_TOP "QA/XXX" at -243.65,-257.25 h31; DISPLAY_TOP "14JAN09" at -256.05,2.76 h31; DISPLAY_TOP "10XXX09" at -256.05,-297.25 h31; DISPLAY_TOP "ADI/DML" at -256.05,47.76 h31; ASSEMBLY_TOP "UPN" at -199.25,-177.24 h25; ASSEMBLY_TOP "10" at -189.25,-147.25 h25; ASSEMBLY_TOP "0.01UF" at -229.25,-102.05 h25
C326: PIN_NUMBER "2" at -175,140.49 h25 r270; PIN_NUMBER "1" at -175,164.49 h25 r270; PAD_STACK_NAME "14X14" at -388.99,144.89 h50 r270; PAD_STACK_NAME "C0201" at -167.99,141.5 h50 r270; DISPLAY_TOP "QA/XXX" at -239.4,7.5 h31; DISPLAY_TOP "14JAN09" at -251.79,267.5 h31; DISPLAY_TOP "10XXX09" at -251.8,-32.51 h31; DISPLAY_TOP "ADI/DML" at -251.79,312.5 h31; ASSEMBLY_TOP "UPN" at -195,87.5 h25; ASSEMBLY_TOP "10" at -185,117.5 h25; ASSEMBLY_TOP "0.01UF" at -225,162.7 h25
C327: PIN_NUMBER "2" at -207.5,198.75 h25 r90; PIN_NUMBER "1" at -207.5,156.25 h25 r90; PAD_STACK_NAME "C0402" at -392.5,172.5 h50 r90; PAD_STACK_NAME "27.5x25x15" at -191.5,177.5 h31 r90; ASSEMBLY_TOP "1uF" at -213.33,181.83 h25 r90; ASSEMBLY_TOP "10" at -163.56,182.22 h25 r90; ASSEMBLY_TOP "UPN" at -159,178.29 h25 r90
C328: PIN_NUMBER "2" at -217.5,63.75 h25 r270; PIN_NUMBER "1" at -217.5,106.25 h25 r270; PAD_STACK_NAME "C0402" at -212.5,90 h50 r270; PAD_STACK_NAME "27.5x25x15" at -461.5,85 h31 r270; ASSEMBLY_TOP "1uF" at -251.67,80.67 h25 r270; ASSEMBLY_TOP "10" at -281.44,80.28 h25 r270; ASSEMBLY_TOP "UPN" at -306,84.21 h25 r270
C329: PIN_NUMBER "2" at -152.5,65.5 h25 r270; PIN_NUMBER "1" at -152.5,89.5 h25 r270; PAD_STACK_NAME "14X14" at -366.5,69.9 h50 r270; PAD_STACK_NAME "C0201" at -145.5,66.5 h50 r270; DISPLAY_TOP "QA/XXX" at -216.9,-67.5 h31; DISPLAY_TOP "14JAN09" at -229.3,192.5 h31; DISPLAY_TOP "10XXX09" at -229.3,-107.5 h31; DISPLAY_TOP "ADI/DML" at -229.3,237.5 h31; ASSEMBLY_TOP "UPN" at -172.5,12.5 h25; ASSEMBLY_TOP "10" at -162.5,42.5 h25; ASSEMBLY_TOP "0.01UF" at -202.5,87.7 h25
C330: PIN_NUMBER "2" at 119,-17.5 h25 r180; PIN_NUMBER "1" at 143,-17.5 h25 r180; PAD_STACK_NAME "14X14" at 33.4,106.5 h50 r180; PAD_STACK_NAME "C0201" at 30,-114.5 h50 r180; DISPLAY_TOP "QA/XXX" at -78.4,-17.5 h31 r270; DISPLAY_TOP "14JAN09" at 169.2,-17.5 h31 r270; DISPLAY_TOP "10XXX09" at -130.8,-17.5 h31 r270; DISPLAY_TOP "ADI/DML" at 214.2,-17.5 h31 r270; ASSEMBLY_TOP "UPN" at 46,-17.5 h25 r270; ASSEMBLY_TOP "10" at 86,-17.5 h25 r270; ASSEMBLY_TOP "0.01UF" at 91.2,-17.5 h25 r270
C331: PIN_NUMBER "2" at 217.5,-61.25 h25 r270; PIN_NUMBER "1" at 217.5,-18.75 h25 r270; PAD_STACK_NAME "C0402" at 222.5,-35 h50 r270; PAD_STACK_NAME "27.5x25x15" at -26.5,-40 h31 r270; ASSEMBLY_TOP "1uF" at 183.33,-44.33 h25 r270; ASSEMBLY_TOP "10" at 153.56,-44.72 h25 r270; ASSEMBLY_TOP "UPN" at 129,-40.79 h25 r270
C332: PIN_NUMBER "2" at -88.75,216.25 h25; PIN_NUMBER "1" at -131.25,216.25 h25; PAD_STACK_NAME "C0402" at -205,311.25 h50; PAD_STACK_NAME "27.5x25x15" at -224,86.25 h31; ASSEMBLY_TOP "1uF" at -125.67,202.08 h25; ASSEMBLY_TOP "10" at -115.28,162.31 h25; ASSEMBLY_TOP "UPN" at -129.21,147.75 h25
C333: PIN_NUMBER "2" at -124.5,157.5 h25 r180; PIN_NUMBER "1" at -100.5,157.5 h25 r180; PAD_STACK_NAME "14X14" at -210.1,281.5 h50 r180; PAD_STACK_NAME "C0201" at -213.5,60.5 h50 r180; DISPLAY_TOP "QA/XXX" at -321.9,157.5 h31 r270; DISPLAY_TOP "14JAN09" at -74.3,157.5 h31 r270; DISPLAY_TOP "10XXX09" at -374.3,157.5 h31 r270; DISPLAY_TOP "ADI/DML" at -29.3,157.5 h31 r270; ASSEMBLY_TOP "UPN" at -197.5,157.5 h25 r270; ASSEMBLY_TOP "10" at -157.5,157.5 h25 r270; ASSEMBLY_TOP "0.01UF" at -152.3,157.5 h25 r270
C334: PIN_NUMBER "2" at 100,158 h25 r270; PIN_NUMBER "1" at 100,182 h25 r270; PAD_STACK_NAME "14X14" at -114,162.4 h50 r270; PAD_STACK_NAME "C0201" at 107,159 h50 r270; DISPLAY_TOP "QA/XXX" at 35.6,25 h31; DISPLAY_TOP "14JAN09" at 23.2,285 h31; DISPLAY_TOP "10XXX09" at 23.2,-15 h31; DISPLAY_TOP "ADI/DML" at 23.2,330 h31; ASSEMBLY_TOP "UPN" at 80,105 h25; ASSEMBLY_TOP "10" at 90,135 h25; ASSEMBLY_TOP "0.01UF" at 50,180.2 h25
C335: PIN_NUMBER "2" at 55,148.74 h25 r270; PIN_NUMBER "1" at 55,191.26 h25 r270; PAD_STACK_NAME "C0402" at 60,175 h50 r270; PAD_STACK_NAME "27.5x25x15" at -188.99,170 h31 r270; ASSEMBLY_TOP "1uF" at 20.83,165.67 h25 r270; ASSEMBLY_TOP "10" at -8.94,165.28 h25 r270; ASSEMBLY_TOP "UPN" at -33.5,169.21 h25 r270
C336: PIN_NUMBER "2" at 78.75,-255 h25 r180; PIN_NUMBER "1" at 121.25,-255 h25 r180; PAD_STACK_NAME "C0402" at 15,-350 h50 r180; PAD_STACK_NAME "27.5x25x15" at -14,-125 h31 r180; ASSEMBLY_TOP "1uF" at 75.67,-240.83 h25 r180; ASSEMBLY_TOP "10" at 85.28,-201.06 h25 r180; ASSEMBLY_TOP "UPN" at 79.21,-186.5 h25 r180
C337: PIN_NUMBER "2" at 88,-212.5 h25 r180; PIN_NUMBER "1" at 112,-212.5 h25 r180; PAD_STACK_NAME "14X14" at 2.4,-88.5 h50 r180; PAD_STACK_NAME "C0201" at -1,-309.5 h50 r180; DISPLAY_TOP "QA/XXX" at -109.4,-212.5 h31 r270; DISPLAY_TOP "14JAN09" at 138.2,-212.5 h31 r270; DISPLAY_TOP "10XXX09" at -161.8,-212.5 h31 r270; DISPLAY_TOP "ADI/DML" at 183.2,-212.5 h31 r270; ASSEMBLY_TOP "UPN" at 15,-212.5 h25 r270; ASSEMBLY_TOP "10" at 55,-212.5 h25 r270; ASSEMBLY_TOP "0.01UF" at 60.2,-212.5 h25 r270
C338: PIN_NUMBER "2" at 752.5,1043 h25 r270; PIN_NUMBER "1" at 752.5,1067 h25 r270; PAD_STACK_NAME "14X14" at 538.5,1047.4 h50 r270; PAD_STACK_NAME "C0201" at 759.5,1044 h50 r270; DISPLAY_TOP "QA/XXX" at 688.1,910 h31; DISPLAY_TOP "14JAN09" at 675.7,1170 h31; DISPLAY_TOP "10XXX09" at 675.7,870 h31; DISPLAY_TOP "ADI/DML" at 675.7,1215 h31; ASSEMBLY_TOP "UPN" at 732.5,990 h25; ASSEMBLY_TOP "10" at 742.5,1020 h25; ASSEMBLY_TOP "0.1uF" at 712.5,1065.2 h25
C339: PIN_NUMBER "2" at 700,1043 h25 r270; PIN_NUMBER "1" at 700,1067 h25 r270; PAD_STACK_NAME "14X14" at 486,1047.4 h50 r270; PAD_STACK_NAME "C0201" at 707,1044 h50 r270; DISPLAY_TOP "QA/XXX" at 635.6,910 h31; DISPLAY_TOP "14JAN09" at 623.2,1170 h31; DISPLAY_TOP "10XXX09" at 623.2,870 h31; DISPLAY_TOP "ADI/DML" at 623.2,1215 h31; ASSEMBLY_TOP "UPN" at 680,990 h25; ASSEMBLY_TOP "10" at 690,1020 h25; ASSEMBLY_TOP "0.1uF" at 660,1065.2 h25
C340: PIN_NUMBER "2" at 790,852 h25 r90; PIN_NUMBER "1" at 790,828 h25 r90; PAD_STACK_NAME "14X14" at 824,847.6 h50 r90; PAD_STACK_NAME "C0201" at 603,851 h50 r90; DISPLAY_TOP "QA/XXX" at 725.6,985 h31 r180; DISPLAY_TOP "14JAN09" at 713.2,725 h31 r180; DISPLAY_TOP "10XXX09" at 713.2,1025 h31 r180; DISPLAY_TOP "ADI/DML" at 713.2,680 h31 r180; ASSEMBLY_TOP "UPN" at 770,905 h25 r180; ASSEMBLY_TOP "10" at 780,875 h25 r180; ASSEMBLY_TOP "0.01UF" at 740,829.8 h25 r180
C341: PIN_NUMBER "2" at 1144.75,787.5 h25; PIN_NUMBER "1" at 1080.25,787.5 h25; PAD_STACK_NAME "C0603a" at 997.5,882.5 h50; PAD_STACK_NAME "38.5x35x26" at 1022.5,657.5 h25; ASSEMBLY_TOP "10UF" at 1084.5,776.5 h25; ASSEMBLY_TOP "20" at 1032.5,787.5 h25 r90; ASSEMBLY_TOP "UPN" at 1216.5,786.5 h25 r90
C342: PIN_NUMBER "2" at 1144.75,730 h25; PIN_NUMBER "1" at 1080.25,730 h25; PAD_STACK_NAME "C0603a" at 997.5,825 h50; PAD_STACK_NAME "38.5x35x26" at 1022.5,600 h25; ASSEMBLY_TOP "10UF" at 1084.5,719 h25; ASSEMBLY_TOP "20" at 1032.5,730 h25 r90; ASSEMBLY_TOP "UPN" at 1216.5,729 h25 r90
C343: PIN_NUMBER "2" at 947.5,673 h25 r270; PIN_NUMBER "1" at 947.5,697 h25 r270; PAD_STACK_NAME "14X14" at 733.5,677.4 h50 r270; PAD_STACK_NAME "C0201" at 954.5,674 h50 r270; DISPLAY_TOP "QA/XXX" at 883.1,540 h31; DISPLAY_TOP "14JAN09" at 870.7,800 h31; DISPLAY_TOP "10XXX09" at 870.7,500 h31; DISPLAY_TOP "ADI/DML" at 870.7,845 h31; ASSEMBLY_TOP "UPN" at 927.5,620 h25; ASSEMBLY_TOP "10" at 937.5,650 h25; ASSEMBLY_TOP "0.1uF" at 907.5,695.2 h25
C344: PIN_NUMBER "2" at 1032.5,673 h25 r270; PIN_NUMBER "1" at 1032.5,697 h25 r270; PAD_STACK_NAME "14X14" at 818.5,677.4 h50 r270; PAD_STACK_NAME "C0201" at 1039.5,674 h50 r270; DISPLAY_TOP "QA/XXX" at 968.1,540 h31; DISPLAY_TOP "14JAN09" at 955.7,800 h31; DISPLAY_TOP "10XXX09" at 955.7,500 h31; DISPLAY_TOP "ADI/DML" at 955.7,845 h31; ASSEMBLY_TOP "UPN" at 1012.5,620 h25; ASSEMBLY_TOP "10" at 1022.5,650 h25; ASSEMBLY_TOP "0.1uF" at 992.5,695.2 h25
C345: PIN_NUMBER "2" at 990,673 h25 r270; PIN_NUMBER "1" at 990,697 h25 r270; PAD_STACK_NAME "14X14" at 776,677.4 h50 r270; PAD_STACK_NAME "C0201" at 997,674 h50 r270; DISPLAY_TOP "QA/XXX" at 925.6,540 h31; DISPLAY_TOP "14JAN09" at 913.2,800 h31; DISPLAY_TOP "10XXX09" at 913.2,500 h31; DISPLAY_TOP "ADI/DML" at 913.2,845 h31; ASSEMBLY_TOP "UPN" at 970,620 h25; ASSEMBLY_TOP "10" at 980,650 h25; ASSEMBLY_TOP "0.1uF" at 950,695.2 h25
C346: PIN_NUMBER "2" at 905,673 h25 r270; PIN_NUMBER "1" at 905,697 h25 r270; PAD_STACK_NAME "14X14" at 691,677.4 h50 r270; PAD_STACK_NAME "C0201" at 912,674 h50 r270; DISPLAY_TOP "QA/XXX" at 840.6,540 h31; DISPLAY_TOP "14JAN09" at 828.2,800 h31; DISPLAY_TOP "10XXX09" at 828.2,500 h31; DISPLAY_TOP "ADI/DML" at 828.2,845 h31; ASSEMBLY_TOP "UPN" at 885,620 h25; ASSEMBLY_TOP "10" at 895,650 h25; ASSEMBLY_TOP "0.1uF" at 865,695.2 h25
C347: PIN_NUMBER "2" at 1430,1250.5 h25 r270; PIN_NUMBER "1" at 1430,1274.5 h25 r270; PAD_STACK_NAME "14X14" at 1216,1254.9 h50 r270; PAD_STACK_NAME "C0201" at 1437,1251.5 h50 r270; DISPLAY_TOP "QA/XXX" at 1365.6,1117.5 h31; DISPLAY_TOP "14JAN09" at 1353.2,1377.5 h31; DISPLAY_TOP "10XXX09" at 1353.2,1077.5 h31; DISPLAY_TOP "ADI/DML" at 1353.2,1422.5 h31; ASSEMBLY_TOP "UPN" at 1410,1197.5 h25; ASSEMBLY_TOP "10" at 1420,1227.5 h25; ASSEMBLY_TOP "0.1uF" at 1390,1272.7 h25
C348: PIN_NUMBER "2" at 1357,1292.5 h25; PIN_NUMBER "1" at 1333,1292.5 h25; PAD_STACK_NAME "14X14" at 1262.6,1168.5 h50; PAD_STACK_NAME "C0201" at 1266,1389.5 h50; DISPLAY_TOP "QA/XXX" at 1425.6,1292.5 h31 r90; DISPLAY_TOP "14JAN09" at 1153.2,1292.5 h31 r90; DISPLAY_TOP "10XXX09" at 1453.2,1292.5 h31 r90; DISPLAY_TOP "ADI/DML" at 1108.2,1292.5 h31 r90; ASSEMBLY_TOP "UPN" at 1390,1292.5 h25 r90; ASSEMBLY_TOP "10" at 1370,1292.5 h25 r90; ASSEMBLY_TOP "0.1uF" at 1294.8,1292.5 h25 r90
C354: PIN_NUMBER "2" at 275,8.75 h25 r90; PIN_NUMBER "1" at 275,51.25 h25 r90; ASSEMBLY_BOTTOM "1uF" at 269.17,25.67 h25 r90; ASSEMBLY_BOTTOM "10" at 318.94,25.28 h25 r90; ASSEMBLY_BOTTOM "UPN" at 323.5,29.21 h25 r90; PAD_STACK_NAME "C0402" at 90,35 h50 r90; PAD_STACK_NAME "27.5x25x15" at 291,30 h31 r90
C355: PIN_NUMBER "2" at 235,18 h25 r90; PIN_NUMBER "1" at 235,42 h25 r90; ASSEMBLY_BOTTOM "UPN" at 215,-35 h25; ASSEMBLY_BOTTOM "10" at 225,-5 h25; ASSEMBLY_BOTTOM "0.01UF" at 185,40.2 h25; PAD_STACK_NAME "14X14" at 269,22.4 h50 r90; PAD_STACK_NAME "C0201" at 48,19 h50 r90; DISPLAY_BOTTOM "QA/XXX" at 170.6,-115 h31; DISPLAY_BOTTOM "14JAN09" at 158.2,145 h31; DISPLAY_BOTTOM "10XXX09" at 158.2,-155 h31; DISPLAY_BOTTOM "ADI/DML" at 158.2,190 h31
C356: PIN_NUMBER "2" at 170,18 h25 r270; PIN_NUMBER "1" at 170,42 h25 r270; PAD_STACK_NAME "14X14" at -44,22.4 h50 r270; PAD_STACK_NAME "C0201" at 177,19 h50 r270; DISPLAY_TOP "QA/XXX" at 105.6,-115 h31; DISPLAY_TOP "14JAN09" at 93.2,145 h31; DISPLAY_TOP "10XXX09" at 93.2,-155 h31; DISPLAY_TOP "ADI/DML" at 93.2,190 h31; ASSEMBLY_TOP "UPN" at 150,-35 h25; ASSEMBLY_TOP "10" at 160,-5 h25; ASSEMBLY_TOP "0.01UF" at 120,40.2 h25
C357: PIN_NUMBER "2" at 210,23.75 h25 r270; PIN_NUMBER "1" at 210,66.25 h25 r270; PAD_STACK_NAME "C0402" at 215,50 h50 r270; PAD_STACK_NAME "27.5x25x15" at -34,45 h31 r270; ASSEMBLY_TOP "1uF" at 175.83,40.67 h25 r270; ASSEMBLY_TOP "10" at 146.06,40.28 h25 r270; ASSEMBLY_TOP "UPN" at 121.5,44.21 h25 r270
C358: PIN_NUMBER "2" at 2.5,-251.25 h25 r270; PIN_NUMBER "1" at 2.5,-208.75 h25 r270; PAD_STACK_NAME "C0402" at 7.5,-225 h50 r270; PAD_STACK_NAME "27.5x25x15" at -241.5,-230 h31 r270; ASSEMBLY_TOP "1uF" at -31.67,-234.33 h25 r270; ASSEMBLY_TOP "10" at -61.44,-234.72 h25 r270; ASSEMBLY_TOP "UPN" at -86,-230.79 h25 r270
C359: PIN_NUMBER "2" at 40,-128 h25 r90; PIN_NUMBER "1" at 40,-152 h25 r90; PAD_STACK_NAME "14X14" at 74,-132.4 h50 r90; PAD_STACK_NAME "C0201" at -147,-129 h50 r90; DISPLAY_TOP "QA/XXX" at -24.4,5 h31 r180; DISPLAY_TOP "14JAN09" at -36.8,-255 h31 r180; DISPLAY_TOP "10XXX09" at -36.8,45 h31 r180; DISPLAY_TOP "ADI/DML" at -36.8,-300 h31 r180; ASSEMBLY_TOP "UPN" at 20,-75 h25 r180; ASSEMBLY_TOP "10" at 30,-105 h25 r180; ASSEMBLY_TOP "0.01UF" at -10,-150.2 h25 r180
C360: PIN_NUMBER "2" at 8,-175 h25 r180; PIN_NUMBER "1" at 32,-175 h25 r180; PAD_STACK_NAME "14X14" at -77.6,-51 h50 r180; PAD_STACK_NAME "C0201" at -81,-272 h50 r180; DISPLAY_TOP "QA/XXX" at -189.4,-175 h31 r270; DISPLAY_TOP "14JAN09" at 58.2,-175 h31 r270; DISPLAY_TOP "10XXX09" at -241.8,-175 h31 r270; DISPLAY_TOP "ADI/DML" at 103.2,-175 h31 r270; ASSEMBLY_TOP "UPN" at -65,-175 h25 r270; ASSEMBLY_TOP "10" at -25,-175 h25 r270; ASSEMBLY_TOP "0.01UF" at -19.8,-175 h25 r270
C361: PIN_NUMBER "2" at 37.5,-251.25 h25 r270; PIN_NUMBER "1" at 37.5,-208.75 h25 r270; PAD_STACK_NAME "C0402" at 42.5,-225 h50 r270; PAD_STACK_NAME "27.5x25x15" at -206.5,-230 h31 r270; ASSEMBLY_TOP "1uF" at 3.33,-234.33 h25 r270; ASSEMBLY_TOP "10" at -26.44,-234.72 h25 r270; ASSEMBLY_TOP "UPN" at -51,-230.79 h25 r270
C362: PIN_NUMBER "2" at 1490,1210.25 h25 r270; PIN_NUMBER "1" at 1490,1274.75 h25 r270; PAD_STACK_NAME "C0603a" at 1475,1247.5 h50 r270; PAD_STACK_NAME "38.5x35x26" at 1270,1242.5 h25 r270; ASSEMBLY_TOP "10UF" at 1449,1240.5 h25 r270; ASSEMBLY_TOP "20" at 1480,1312.5 h25; ASSEMBLY_TOP "UPN" at 1469,1118.5 h25
C363: PIN_NUMBER "2" at 1150.25,1292.5 h25 r180; PIN_NUMBER "1" at 1214.75,1292.5 h25 r180; PAD_STACK_NAME "C0603a" at 1077.5,1197.5 h50 r180; PAD_STACK_NAME "38.5x35x26" at 1092.5,1422.5 h25 r180; ASSEMBLY_TOP "10UF" at 1150.5,1303.5 h25 r180; ASSEMBLY_TOP "20" at 1242.5,1292.5 h25 r270; ASSEMBLY_TOP "UPN" at 1038.5,1293.5 h25 r270
C364: PIN_NUMBER "2" at 1563,680 h25 r180; PIN_NUMBER "1" at 1587,680 h25 r180; PAD_STACK_NAME "14X14" at 1477.4,804 h50 r180; PAD_STACK_NAME "C0201" at 1474,583 h50 r180; DISPLAY_TOP "QA/XXX" at 1365.6,680 h31 r270; DISPLAY_TOP "14JAN09" at 1613.2,680 h31 r270; DISPLAY_TOP "10XXX09" at 1313.2,680 h31 r270; DISPLAY_TOP "ADI/DML" at 1658.2,680 h31 r270; ASSEMBLY_TOP "UPN" at 1490,680 h25 r270; ASSEMBLY_TOP "10" at 1530,680 h25 r270; ASSEMBLY_TOP "0.1uF" at 1545.2,680 h25 r270
C365: PIN_NUMBER "2" at 1550.25,727.5 h25 r180; PIN_NUMBER "1" at 1614.75,727.5 h25 r180; PAD_STACK_NAME "C0603a" at 1477.5,632.5 h50 r180; PAD_STACK_NAME "38.5x35x26" at 1492.5,857.5 h25 r180; ASSEMBLY_TOP "10UF" at 1550.5,738.5 h25 r180; ASSEMBLY_TOP "20" at 1642.5,727.5 h25 r270; ASSEMBLY_TOP "UPN" at 1438.5,728.5 h25 r270
DS21: PIN_NUMBER "C" at 1176,1242.5 h25 r180; PIN_NUMBER "A" at 1239,1242.5 h25 r180; ASSEMBLY_BOTTOM "LNJ308G8TRA (green)" at 997.5,1242.5 h25 r90; ASSEMBLY_BOTTOM "N/A" at 1222.5,1242.5 h25 r90; ASSEMBLY_BOTTOM "UPN" at 1252.5,1242.5 h25 r90; PAD_STACK_NAME "LED0603" at 1077.5,1117.5 h50 r180; PAD_STACK_NAME "38X30" at 1117.5,1342.5 h50 r180; DISPLAY_BOTTOM "ADI/JJA" at 980.7,1242.5 h31 r90; DISPLAY_BOTTOM "13OCT04" at 1305.7,1242.5 h31 r90; DISPLAY_BOTTOM "06OCT04" at 1030.7,1242.5 h31 r90; DISPLAY_BOTTOM "QA/LES" at 1268.1,1242.5 h31 r90
E301: PIN_NUMBER "2" at 1087.5,940.5 h25 r90; PIN_NUMBER "1" at 1087.5,864.5 h25 r90; PAD_STACK_NAME "L0805A" at 852.5,902.5 h50 r90; PAD_STACK_NAME "51X58X26" at 1142.5,902.5 h25 r90; ASSEMBLY_TOP "39OHM" at 1047.5,867.5 h25 r180; ASSEMBLY_TOP "N/A" at 1067.5,932.5 h25 r180; ASSEMBLY_TOP "UPN" at 1067.5,962.5 h25 r180
E302: PIN_NUMBER "2" at 1730,838.75 h25 r270; PIN_NUMBER "1" at 1730,881.25 h25 r270; PAD_STACK_NAME "L0402" at 1735,865 h50 r270; PAD_STACK_NAME "27.5x25x15" at 1486,860 h31 r270; ASSEMBLY_TOP "75OHM" at 1675.83,855.67 h25 r270; ASSEMBLY_TOP "25" at 1666.06,855.28 h25 r270; ASSEMBLY_TOP "UPN" at 1641.5,859.21 h25 r270
E303: PIN_NUMBER "1" at 1333.75,1245 h25 r180; PIN_NUMBER "2" at 1291.25,1245 h25 r180; PAD_STACK_NAME "L0402" at 1227.5,1150 h50 r180; PAD_STACK_NAME "27.5x25x15" at 1198.5,1375 h31 r180; ASSEMBLY_TOP "75OHM" at 1268.17,1259.17 h25 r180; ASSEMBLY_TOP "25" at 1297.78,1298.94 h25 r180; ASSEMBLY_TOP "UPN" at 1291.71,1313.5 h25 r180
E312: PIN_NUMBER "2" at 1333.75,1245 h25 r180; PIN_NUMBER "1" at 1376.25,1245 h25 r180; PAD_STACK_NAME "L0402" at 1270,1150 h50 r180; PAD_STACK_NAME "27.5x25x15" at 1241,1375 h31 r180; ASSEMBLY_TOP "75OHM" at 1310.67,1259.17 h25 r180; ASSEMBLY_TOP "25" at 1340.28,1298.94 h25 r180; ASSEMBLY_TOP "UPN" at 1334.21,1313.5 h25 r180